# EAGLE board working (EAGLE 7.5.0), part 8 of 8
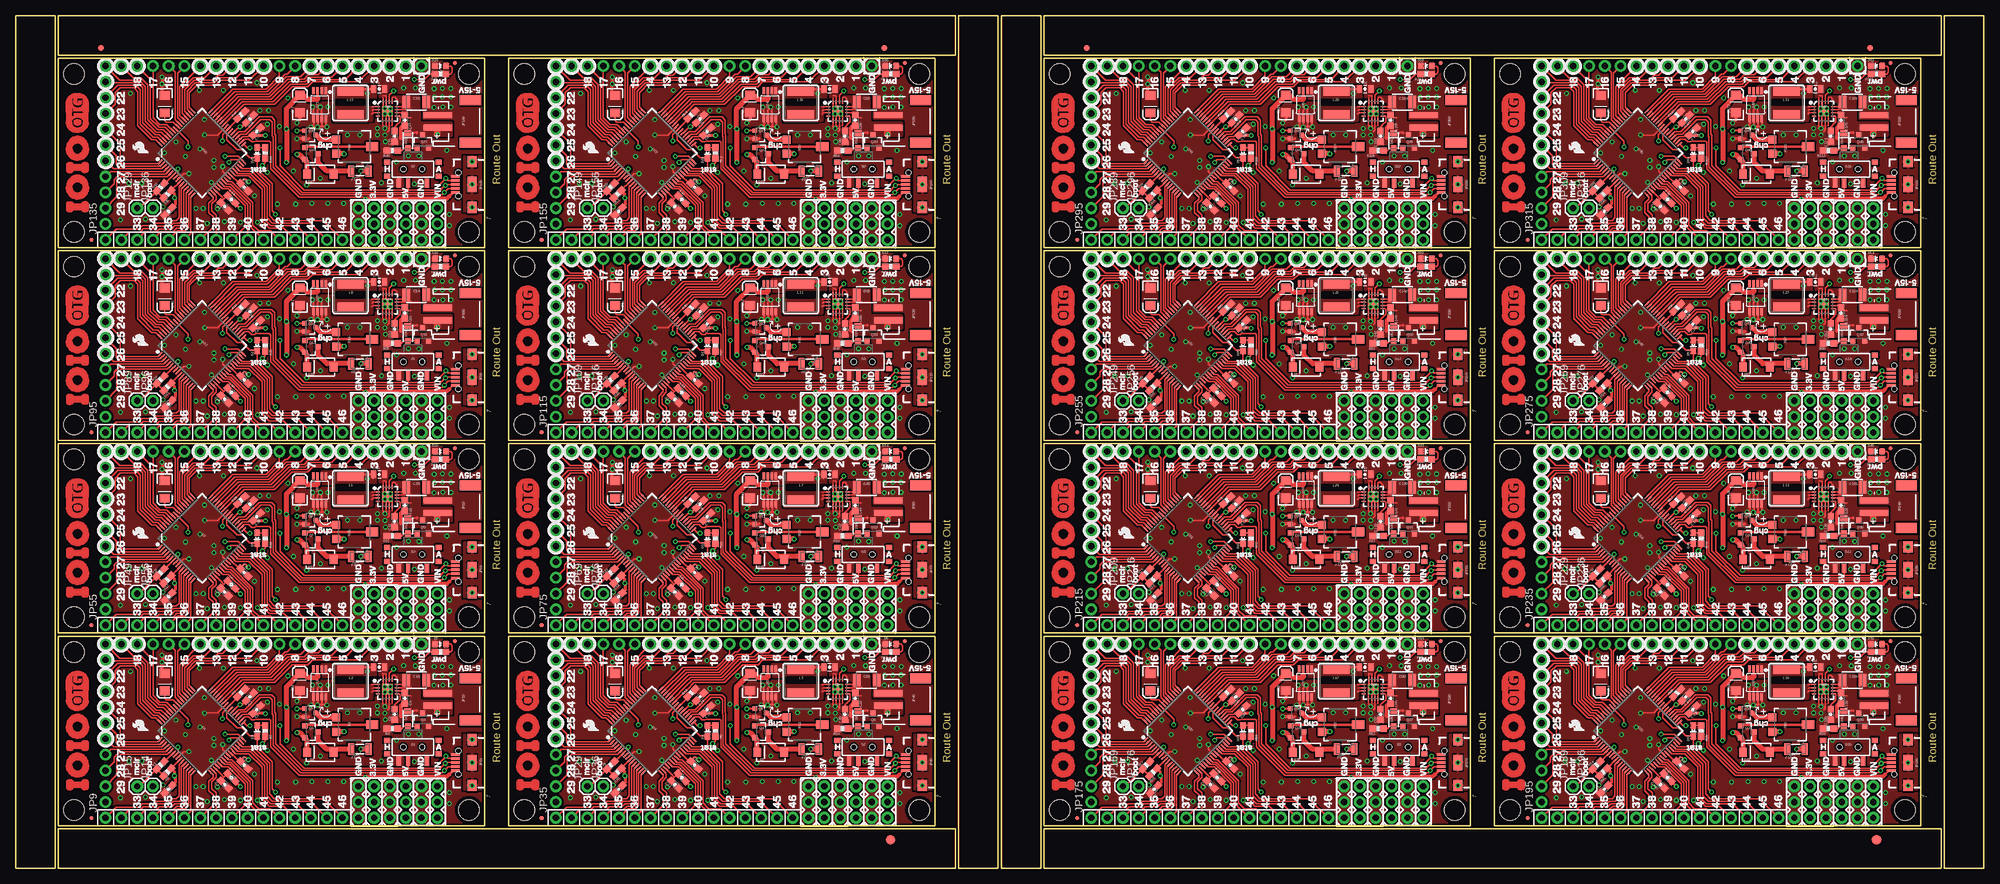
[diagram p0: board, top side]
## Tracks (layer width: path | path; a pad name or v marks a point on that pad's centre or on a via) (continued)
VBUS12  (via drill 0.38 pad 0.64) (continued)
  Top 0.61: 228.22,77.09 227.84,76.71 214.88,76.71 v214.76,76.58
  Top 0.813: F13.1 v214,81.15
  Bottom 0.61: v214.76,76.58 214.76,80.39 v214,81.15
VBUS13  (via drill 0.38 pad 0.64)
  Top 0.203: U40.34 267.7,86.32 268.39,86.32 268.86,85.85 269.37,85.85 269.49,85.98 271.7,85.98 271.91,85.78 271.91,81.54 276.49,76.96 286.77,76.96 v287.15,76.58 287.02,76.71 | JP279.VBUS1 301.21,77.69
  Top 0.406: 301.21,77.69 300.61,77.09
  Top 0.61: 300.61,77.09 300.23,76.71 287.27,76.71 v287.15,76.58
  Top 0.813: F14.1 v286.38,81.15
  Bottom 0.61: v287.15,76.58 287.15,80.39 v286.38,81.15
VBUS14  (via drill 0.38 pad 0.64)
  Top 0.203: U43.34 195.31,117.31 196,117.31 196.47,116.84 196.98,116.84 197.1,116.97 199.31,116.97 199.52,116.76 199.52,112.53 204.1,107.95 214.38,107.95 v214.76,107.57 214.63,107.7 | JP299.VBUS1 228.82,108.68
  Top 0.406: 228.82,108.68 228.22,108.08
  Top 0.61: 228.22,108.08 227.84,107.7 214.88,107.7 v214.76,107.57
  Top 0.813: F15.1 v214,112.14
  Bottom 0.61: v214.76,107.57 214.76,111.38 v214,112.14
VBUS15  (via drill 0.38 pad 0.64)
  Top 0.203: U46.34 267.7,117.31 268.39,117.31 268.86,116.84 269.37,116.84 269.49,116.97 271.7,116.97 271.91,116.76 271.91,112.53 276.49,107.95 286.77,107.95 v287.15,107.57 287.02,107.7 | JP319.VBUS1 301.21,108.68
  Top 0.406: 301.21,108.68 300.61,108.08
  Top 0.61: 300.61,108.08 300.23,107.7 287.27,107.7 v287.15,107.57
  Top 0.813: F16.1 v286.38,112.14
  Bottom 0.61: v287.15,107.57 287.15,111.38 v286.38,112.14
VIN  (via drill 0.38 pad 0.64)
  Top 0.203: 62.36,28.17 62.48,28.3 62.58,28.21 C9.1 | 63.6,27.77 62.63,27.77 62.63,28.18 C9.1 | 64.01,25.4 64.52,25.4 | C9.1 62.61,28.11 | C9.1 62.25,28.56 U2.10 | D2.C 64.12,25.28 64.21,25.37
  Top 0.279: 61.32,30.68 60.94,31.06 60.74,31.06 60.58,30.89 U2.13 | U2.11 63.65,29.06 63.67,29.08 | U2.12 62.58,29.56 62.74,29.72
  Top 0.508: 64.52,25.4 64.57,25.35
  Top 1.016: v67.82,25.04 67.82,26.07 JP19.2
  Bottom 1.016: JP1.1 JP1.2 JP1.3 v67.82,25.04
  pour Top (isolate 0.152, rank 5, no thermals): 70.23,26.8 70.23,25.02 arc-90 69.98,24.77 63.63,24.77 arc-90 63.41,25.15 63.41,29.03 60.97,29.03 60.95,29.88 arc90 60.75,29.98 arc-90 60.53,30.06 60.54,30.97 arc-90 60.81,31.23 64.58,31.21 arc-90 65,30.95 65.06,27.3 arc90 65.38,27.05 69.98,27.05 arc-90
VIN1  (via drill 0.38 pad 0.64)
  Top 0.203: 134.75,28.17 134.87,28.3 134.97,28.21 C22.1 | 135.99,27.77 135.02,27.77 135.02,28.18 C22.1 | 136.4,25.4 136.91,25.4 | C22.1 135,28.11 | C22.1 134.64,28.56 U5.10 | D8.C 136.51,25.28 136.6,25.37
  Top 0.279: 133.71,30.68 133.33,31.06 133.13,31.06 132.97,30.89 U5.13 | U5.11 136.04,29.06 136.06,29.08 | U5.12 134.97,29.56 135.13,29.72
  Top 0.508: 136.91,25.4 136.96,25.35
  Top 1.016: v140.21,25.04 140.21,26.07 JP40.2
  Bottom 1.016: JP33.1 JP33.2 JP33.3 v140.21,25.04
  pour Top (isolate 0.152, rank 5, no thermals): 142.62,26.8 142.62,25.02 arc-90 142.37,24.77 136.02,24.77 arc-90 135.8,25.15 135.8,29.03 133.36,29.03 133.34,29.88 arc90 133.14,29.98 arc-90 132.92,30.06 132.93,30.97 arc-90 133.2,31.23 136.97,31.21 arc-90 137.39,30.95 137.45,27.3 arc90 137.77,27.05 142.37,27.05 arc-90
VIN2  (via drill 0.38 pad 0.64)
  Top 0.203: 62.36,59.16 62.48,59.29 62.58,59.19 C33.1 | 63.6,58.76 62.63,58.76 62.63,59.17 C33.1 | 64.01,56.39 64.52,56.39 | C33.1 62.61,59.1 | C33.1 62.25,59.55 U8.10 | D12.C 64.12,56.27 64.21,56.36
  Top 0.279: 61.32,61.67 60.94,62.05 60.74,62.05 60.58,61.88 U8.13 | U8.11 63.65,60.05 63.67,60.07 | U8.12 62.58,60.55 62.74,60.71
  Top 0.508: 64.52,56.39 64.57,56.34
  Top 1.016: v67.82,56.03 67.82,57.06 JP60.2
  Bottom 1.016: JP53.1 JP53.2 JP53.3 v67.82,56.03
  pour Top (isolate 0.152, rank 5, no thermals): 70.23,57.78 70.23,56.01 arc-90 69.98,55.75 63.63,55.75 arc-90 63.41,56.14 63.41,60.02 60.97,60.02 60.95,60.87 arc90 60.75,60.97 arc-90 60.53,61.05 60.54,61.96 arc-90 60.81,62.22 64.58,62.19 arc-90 65,61.94 65.06,58.29 arc90 65.38,58.04 69.98,58.04 arc-90
VIN3  (via drill 0.38 pad 0.64)
  Top 0.203: 134.75,59.16 134.87,59.29 134.97,59.19 C44.1 | 135.99,58.76 135.02,58.76 135.02,59.17 C44.1 | 136.4,56.39 136.91,56.39 | C44.1 135,59.1 | C44.1 134.64,59.55 U11.10 | D16.C 136.51,56.27 136.6,56.36
  Top 0.279: 133.71,61.67 133.33,62.05 133.13,62.05 132.97,61.88 U11.13 | U11.11 136.04,60.05 136.06,60.07 | U11.12 134.97,60.55 135.13,60.71
  Top 0.508: 136.91,56.39 136.96,56.34
  Top 1.016: v140.21,56.03 140.21,57.06 JP80.2
  Bottom 1.016: JP73.1 JP73.2 JP73.3 v140.21,56.03
  pour Top (isolate 0.152, rank 5, no thermals): 142.62,57.78 142.62,56.01 arc-90 142.37,55.75 136.02,55.75 arc-90 135.8,56.14 135.8,60.02 133.36,60.02 133.34,60.87 arc90 133.14,60.97 arc-90 132.92,61.05 132.93,61.96 arc-90 133.2,62.22 136.97,62.19 arc-90 137.39,61.94 137.45,58.29 arc90 137.77,58.04 142.37,58.04 arc-90
VIN4  (via drill 0.38 pad 0.64)
  Top 0.203: 62.36,90.15 62.48,90.28 62.58,90.18 C55.1 | 63.6,89.74 62.63,89.74 62.63,90.16 C55.1 | 64.01,87.38 64.52,87.38 | C55.1 62.61,90.09 | C55.1 62.25,90.54 U14.10 | D20.C 64.12,87.25 64.21,87.35
  Top 0.279: 61.32,92.66 60.94,93.03 60.74,93.03 60.58,92.87 U14.13 | U14.11 63.65,91.04 63.67,91.06 | U14.12 62.58,91.54 62.74,91.69
  Top 0.508: 64.52,87.38 64.57,87.33
  Top 1.016: v67.82,87.02 67.82,88.04 JP100.2
  Bottom 1.016: JP93.1 JP93.2 JP93.3 v67.82,87.02
  pour Top (isolate 0.152, rank 5, no thermals): 70.23,88.77 70.23,87 arc-90 69.98,86.74 63.63,86.74 arc-90 63.41,87.13 63.41,91.01 60.97,91 60.95,91.85 arc90 60.75,91.96 arc-90 60.53,92.04 60.54,92.95 arc-90 60.81,93.21 64.58,93.18 arc-90 65,92.93 65.06,89.28 arc90 65.38,89.03 69.98,89.03 arc-90
VIN5  (via drill 0.38 pad 0.64)
  Top 0.203: 134.75,90.15 134.87,90.28 134.97,90.18 C66.1 | 135.99,89.74 135.02,89.74 135.02,90.16 C66.1 | 136.4,87.38 136.91,87.38 | C66.1 135,90.09 | C66.1 134.64,90.54 U17.10 | D24.C 136.51,87.25 136.6,87.35
  Top 0.279: 133.71,92.66 133.33,93.03 133.13,93.03 132.97,92.87 U17.13 | U17.11 136.04,91.04 136.06,91.06 | U17.12 134.97,91.54 135.13,91.69
  Top 0.508: 136.91,87.38 136.96,87.33
  Top 1.016: v140.21,87.02 140.21,88.04 JP120.2
  Bottom 1.016: JP113.1 JP113.2 JP113.3 v140.21,87.02
  pour Top (isolate 0.152, rank 5, no thermals): 142.62,88.77 142.62,87 arc-90 142.37,86.74 136.02,86.74 arc-90 135.8,87.13 135.8,91.01 133.36,91 133.34,91.85 arc90 133.14,91.96 arc-90 132.92,92.04 132.93,92.95 arc-90 133.2,93.21 136.97,93.18 arc-90 137.39,92.93 137.45,89.28 arc90 137.77,89.03 142.37,89.03 arc-90
VIN6  (via drill 0.38 pad 0.64)
  Top 0.203: 62.36,121.14 62.48,121.27 62.58,121.17 C77.1 | 63.6,120.73 62.63,120.73 62.63,121.15 C77.1 | 64.01,118.36 64.52,118.36 | C77.1 62.61,121.08 | C77.1 62.25,121.53 U20.10 | D28.C 64.12,118.24 64.21,118.33
  Top 0.279: 61.32,123.64 60.94,124.02 60.74,124.02 60.58,123.86 U20.13 | U20.11 63.65,122.03 63.67,122.05 | U20.12 62.58,122.53 62.74,122.68
  Top 0.508: 64.52,118.36 64.57,118.31
  Top 1.016: v67.82,118.01 67.82,119.03 JP140.2
  Bottom 1.016: JP133.1 JP133.2 JP133.3 v67.82,118.01
  pour Top (isolate 0.152, rank 5, no thermals): 70.23,119.76 70.23,117.98 arc-90 69.98,117.73 63.63,117.73 arc-90 63.41,118.12 63.41,122 60.97,121.99 60.95,122.84 arc90 60.75,122.95 arc-90 60.53,123.02 60.54,123.93 arc-90 60.81,124.2 64.58,124.17 arc-90 65,123.92 65.06,120.27 arc90 65.38,120.02 69.98,120.02 arc-90
VIN7  (via drill 0.38 pad 0.64)
  Top 0.203: 134.75,121.14 134.87,121.27 134.97,121.17 C88.1 | 135.99,120.73 135.02,120.73 135.02,121.15 C88.1 | 136.4,118.36 136.91,118.36 | C88.1 135,121.08 | C88.1 134.64,121.53 U23.10 | D32.C 136.51,118.24 136.6,118.33
  Top 0.279: 133.71,123.64 133.33,124.02 133.13,124.02 132.97,123.86 U23.13 | U23.11 136.04,122.03 136.06,122.05 | U23.12 134.97,122.53 135.13,122.68
  Top 0.508: 136.91,118.36 136.96,118.31
  Top 1.016: v140.21,118.01 140.21,119.03 JP160.2
  Bottom 1.016: JP153.1 JP153.2 JP153.3 v140.21,118.01
  pour Top (isolate 0.152, rank 5, no thermals): 142.62,119.76 142.62,117.98 arc-90 142.37,117.73 136.02,117.73 arc-90 135.8,118.12 135.8,122 133.36,121.99 133.34,122.84 arc90 133.14,122.95 arc-90 132.92,123.02 132.93,123.93 arc-90 133.2,124.2 136.97,124.17 arc-90 137.39,123.92 137.45,120.27 arc90 137.77,120.02 142.37,120.02 arc-90
VIN8  (via drill 0.38 pad 0.64)
  Top 0.203: 220.85,28.17 220.98,28.3 221.07,28.21 C99.1 | 222.09,27.77 221.13,27.77 221.13,28.18 C99.1 | 222.5,25.4 223.01,25.4 | C99.1 221.11,28.11 | C99.1 220.75,28.56 U26.10 | D36.C 222.62,25.28 222.71,25.37
  Top 0.279: 219.82,30.68 219.44,31.06 219.24,31.06 219.07,30.89 U26.13 | U26.11 222.15,29.06 222.17,29.08 | U26.12 221.08,29.56 221.23,29.72
  Top 0.508: 223.01,25.4 223.06,25.35
  Top 1.016: v226.31,25.04 226.31,26.07 JP180.2
  Bottom 1.016: JP173.1 JP173.2 JP173.3 v226.31,25.04
  pour Top (isolate 0.152, rank 5, no thermals): 228.73,26.8 228.73,25.02 arc-90 228.47,24.77 222.12,24.77 arc-90 221.9,25.15 221.91,29.03 219.46,29.03 219.45,29.88 arc90 219.25,29.98 arc-90 219.03,30.06 219.04,30.97 arc-90 219.3,31.23 223.08,31.21 arc-90 223.5,30.95 223.56,27.3 arc90 223.88,27.05 228.47,27.05 arc-90
VIN9  (via drill 0.38 pad 0.64)
  Top 0.203: 293.24,28.17 293.37,28.3 293.46,28.21 C110.1 | 294.49,27.77 293.52,27.77 293.52,28.18 C110.1 | 294.89,25.4 295.4,25.4 | C110.1 293.5,28.11 | C110.1 293.14,28.56 U29.10 | D40.C 295.01,25.28 295.1,25.37
  Top 0.279: 292.21,30.68 291.83,31.06 291.63,31.06 291.46,30.89 U29.13 | U29.11 294.54,29.06 294.56,29.08 | U29.12 293.47,29.56 293.62,29.72
  Top 0.508: 295.4,25.4 295.45,25.35
  Top 1.016: v298.7,25.04 298.7,26.07 JP200.2
  Bottom 1.016: JP193.1 JP193.2 JP193.3 v298.7,25.04
  pour Top (isolate 0.152, rank 5, no thermals): 301.12,26.8 301.12,25.02 arc-90 300.86,24.77 294.51,24.77 arc-90 294.29,25.15 294.3,29.03 291.85,29.03 291.84,29.88 arc90 291.64,29.98 arc-90 291.42,30.06 291.43,30.97 arc-90 291.69,31.23 295.47,31.21 arc-90 295.89,30.95 295.95,27.3 arc90 296.27,27.05 300.86,27.05 arc-90
VIN10  (via drill 0.38 pad 0.64)
  Top 0.203: 220.85,59.16 220.98,59.29 221.07,59.19 C121.1 | 222.09,58.76 221.13,58.76 221.13,59.17 C121.1 | 222.5,56.39 223.01,56.39 | C121.1 221.11,59.1 | C121.1 220.75,59.55 U32.10 | D44.C 222.62,56.27 222.71,56.36
  Top 0.279: 219.82,61.67 219.44,62.05 219.24,62.05 219.07,61.88 U32.13 | U32.11 222.15,60.05 222.17,60.07 | U32.12 221.08,60.55 221.23,60.71
  Top 0.508: 223.01,56.39 223.06,56.34
  Top 1.016: v226.31,56.03 226.31,57.06 JP220.2
  Bottom 1.016: JP213.1 JP213.2 JP213.3 v226.31,56.03
  pour Top (isolate 0.152, rank 5, no thermals): 228.73,57.78 228.73,56.01 arc-90 228.47,55.75 222.12,55.75 arc-90 221.9,56.14 221.91,60.02 219.46,60.02 219.45,60.87 arc90 219.25,60.97 arc-90 219.03,61.05 219.04,61.96 arc-90 219.3,62.22 223.08,62.19 arc-90 223.5,61.94 223.56,58.29 arc90 223.88,58.04 228.47,58.04 arc-90
VIN11  (via drill 0.38 pad 0.64)
  Top 0.203: 293.24,59.16 293.37,59.29 293.46,59.19 C132.1 | 294.49,58.76 293.52,58.76 293.52,59.17 C132.1 | 294.89,56.39 295.4,56.39 | C132.1 293.5,59.1 | C132.1 293.14,59.55 U35.10 | D48.C 295.01,56.27 295.1,56.36
  Top 0.279: 292.21,61.67 291.83,62.05 291.63,62.05 291.46,61.88 U35.13 | U35.11 294.54,60.05 294.56,60.07 | U35.12 293.47,60.55 293.62,60.71
  Top 0.508: 295.4,56.39 295.45,56.34
  Top 1.016: v298.7,56.03 298.7,57.06 JP240.2
  Bottom 1.016: JP233.1 JP233.2 JP233.3 v298.7,56.03
  pour Top (isolate 0.152, rank 5, no thermals): 301.12,57.78 301.12,56.01 arc-90 300.86,55.75 294.51,55.75 arc-90 294.29,56.14 294.3,60.02 291.85,60.02 291.84,60.87 arc90 291.64,60.97 arc-90 291.42,61.05 291.43,61.96 arc-90 291.69,62.22 295.47,62.19 arc-90 295.89,61.94 295.95,58.29 arc90 296.27,58.04 300.86,58.04 arc-90
VIN12  (via drill 0.38 pad 0.64)
  Top 0.203: 220.85,90.15 220.98,90.28 221.07,90.18 C143.1 | 222.09,89.74 221.13,89.74 221.13,90.16 C143.1 | 222.5,87.38 223.01,87.38 | C143.1 221.11,90.09 | C143.1 220.75,90.54 U38.10 | D52.C 222.62,87.25 222.71,87.35
  Top 0.279: 219.82,92.66 219.44,93.03 219.24,93.03 219.07,92.87 U38.13 | U38.11 222.15,91.04 222.17,91.06 | U38.12 221.08,91.54 221.23,91.69
  Top 0.508: 223.01,87.38 223.06,87.33
  Top 1.016: v226.31,87.02 226.31,88.04 JP260.2
  Bottom 1.016: JP253.1 JP253.2 JP253.3 v226.31,87.02
  pour Top (isolate 0.152, rank 5, no thermals): 228.73,88.77 228.73,87 arc-90 228.47,86.74 222.12,86.74 arc-90 221.9,87.13 221.91,91.01 219.46,91 219.45,91.85 arc90 219.25,91.96 arc-90 219.03,92.04 219.04,92.95 arc-90 219.3,93.21 223.08,93.18 arc-90 223.5,92.93 223.56,89.28 arc90 223.88,89.03 228.47,89.03 arc-90
VIN13  (via drill 0.38 pad 0.64)
  Top 0.203: 293.24,90.15 293.37,90.28 293.46,90.18 C154.1 | 294.49,89.74 293.52,89.74 293.52,90.16 C154.1 | 294.89,87.38 295.4,87.38 | C154.1 293.5,90.09 | C154.1 293.14,90.54 U41.10 | D56.C 295.01,87.25 295.1,87.35
  Top 0.279: 292.21,92.66 291.83,93.03 291.63,93.03 291.46,92.87 U41.13 | U41.11 294.54,91.04 294.56,91.06 | U41.12 293.47,91.54 293.62,91.69
  Top 0.508: 295.4,87.38 295.45,87.33
  Top 1.016: v298.7,87.02 298.7,88.04 JP280.2
  Bottom 1.016: JP273.1 JP273.2 JP273.3 v298.7,87.02
  pour Top (isolate 0.152, rank 5, no thermals): 301.12,88.77 301.12,87 arc-90 300.86,86.74 294.51,86.74 arc-90 294.29,87.13 294.3,91.01 291.85,91 291.84,91.85 arc90 291.64,91.96 arc-90 291.42,92.04 291.43,92.95 arc-90 291.69,93.21 295.47,93.18 arc-90 295.89,92.93 295.95,89.28 arc90 296.27,89.03 300.86,89.03 arc-90
VIN14  (via drill 0.38 pad 0.64)
  Top 0.203: 220.85,121.14 220.98,121.27 221.07,121.17 C165.1 | 222.09,120.73 221.13,120.73 221.13,121.15 C165.1 | 222.5,118.36 223.01,118.36 | C165.1 221.11,121.08 | C165.1 220.75,121.53 U44.10 | D60.C 222.62,118.24 222.71,118.33
  Top 0.279: 219.82,123.64 219.44,124.02 219.24,124.02 219.07,123.86 U44.13 | U44.11 222.15,122.03 222.17,122.05 | U44.12 221.08,122.53 221.23,122.68
  Top 0.508: 223.01,118.36 223.06,118.31
  Top 1.016: v226.31,118.01 226.31,119.03 JP300.2
  Bottom 1.016: JP293.1 JP293.2 JP293.3 v226.31,118.01
  pour Top (isolate 0.152, rank 5, no thermals): 228.73,119.76 228.73,117.98 arc-90 228.47,117.73 222.12,117.73 arc-90 221.9,118.12 221.91,122 219.46,121.99 219.45,122.84 arc90 219.25,122.95 arc-90 219.03,123.02 219.04,123.93 arc-90 219.3,124.2 223.08,124.17 arc-90 223.5,123.92 223.56,120.27 arc90 223.88,120.02 228.47,120.02 arc-90
VIN15  (via drill 0.38 pad 0.64)
  Top 0.203: 293.24,121.14 293.37,121.27 293.46,121.17 C176.1 | 294.49,120.73 293.52,120.73 293.52,121.15 C176.1 | 294.89,118.36 295.4,118.36 | C176.1 293.5,121.08 | C176.1 293.14,121.53 U47.10 | D64.C 295.01,118.24 295.1,118.33
  Top 0.279: 292.21,123.64 291.83,124.02 291.63,124.02 291.46,123.86 U47.13 | U47.11 294.54,122.03 294.56,122.05 | U47.12 293.47,122.53 293.62,122.68
  Top 0.508: 295.4,118.36 295.45,118.31
  Top 1.016: v298.7,118.01 298.7,119.03 JP320.2
  Bottom 1.016: JP313.1 JP313.2 JP313.3 v298.7,118.01
  pour Top (isolate 0.152, rank 5, no thermals): 301.12,119.76 301.12,117.98 arc-90 300.86,117.73 294.51,117.73 arc-90 294.29,118.12 294.3,122 291.85,121.99 291.84,122.84 arc90 291.64,122.95 arc-90 291.42,123.02 291.43,123.93 arc-90 291.69,124.2 295.47,124.17 arc-90 295.89,123.92 295.95,120.27 arc90 296.27,120.02 300.86,120.02 arc-90

## Text on the board
Bottom: v22b | v22b | v22b | v22b | v22b | v22b | v22b | v22b | v22b | v22b | v22b | v22b | v22b | v22b | v22b | v22b
Dimension: Route Out | Route Out | Route Out | Route Out | Route Out | Route Out | Route Out | Route Out | Route Out | Route Out | Route Out | Route Out | Route Out | Route Out | Route Out | Route Out
tPlace: + | + | + | + | + | + | + | + | + | + | + | + | + | + | + | +